# Altium PCB BACKPMAN3Rev1.0.PcbDoc (part 4 of 4)
Units mm, origin at the board's own origin, x right, y up, seen from the top; angles counter-clockwise.
Board outline 108 x 143 mm, 4 copper layers (Component Side, Layer 1, Layer 2, Bottom Layer), stack 1.637 mm thick; 343 components, 220 nets, 1089 pads, 837 vias.
Unrouted connection lines stored in the file: 98.
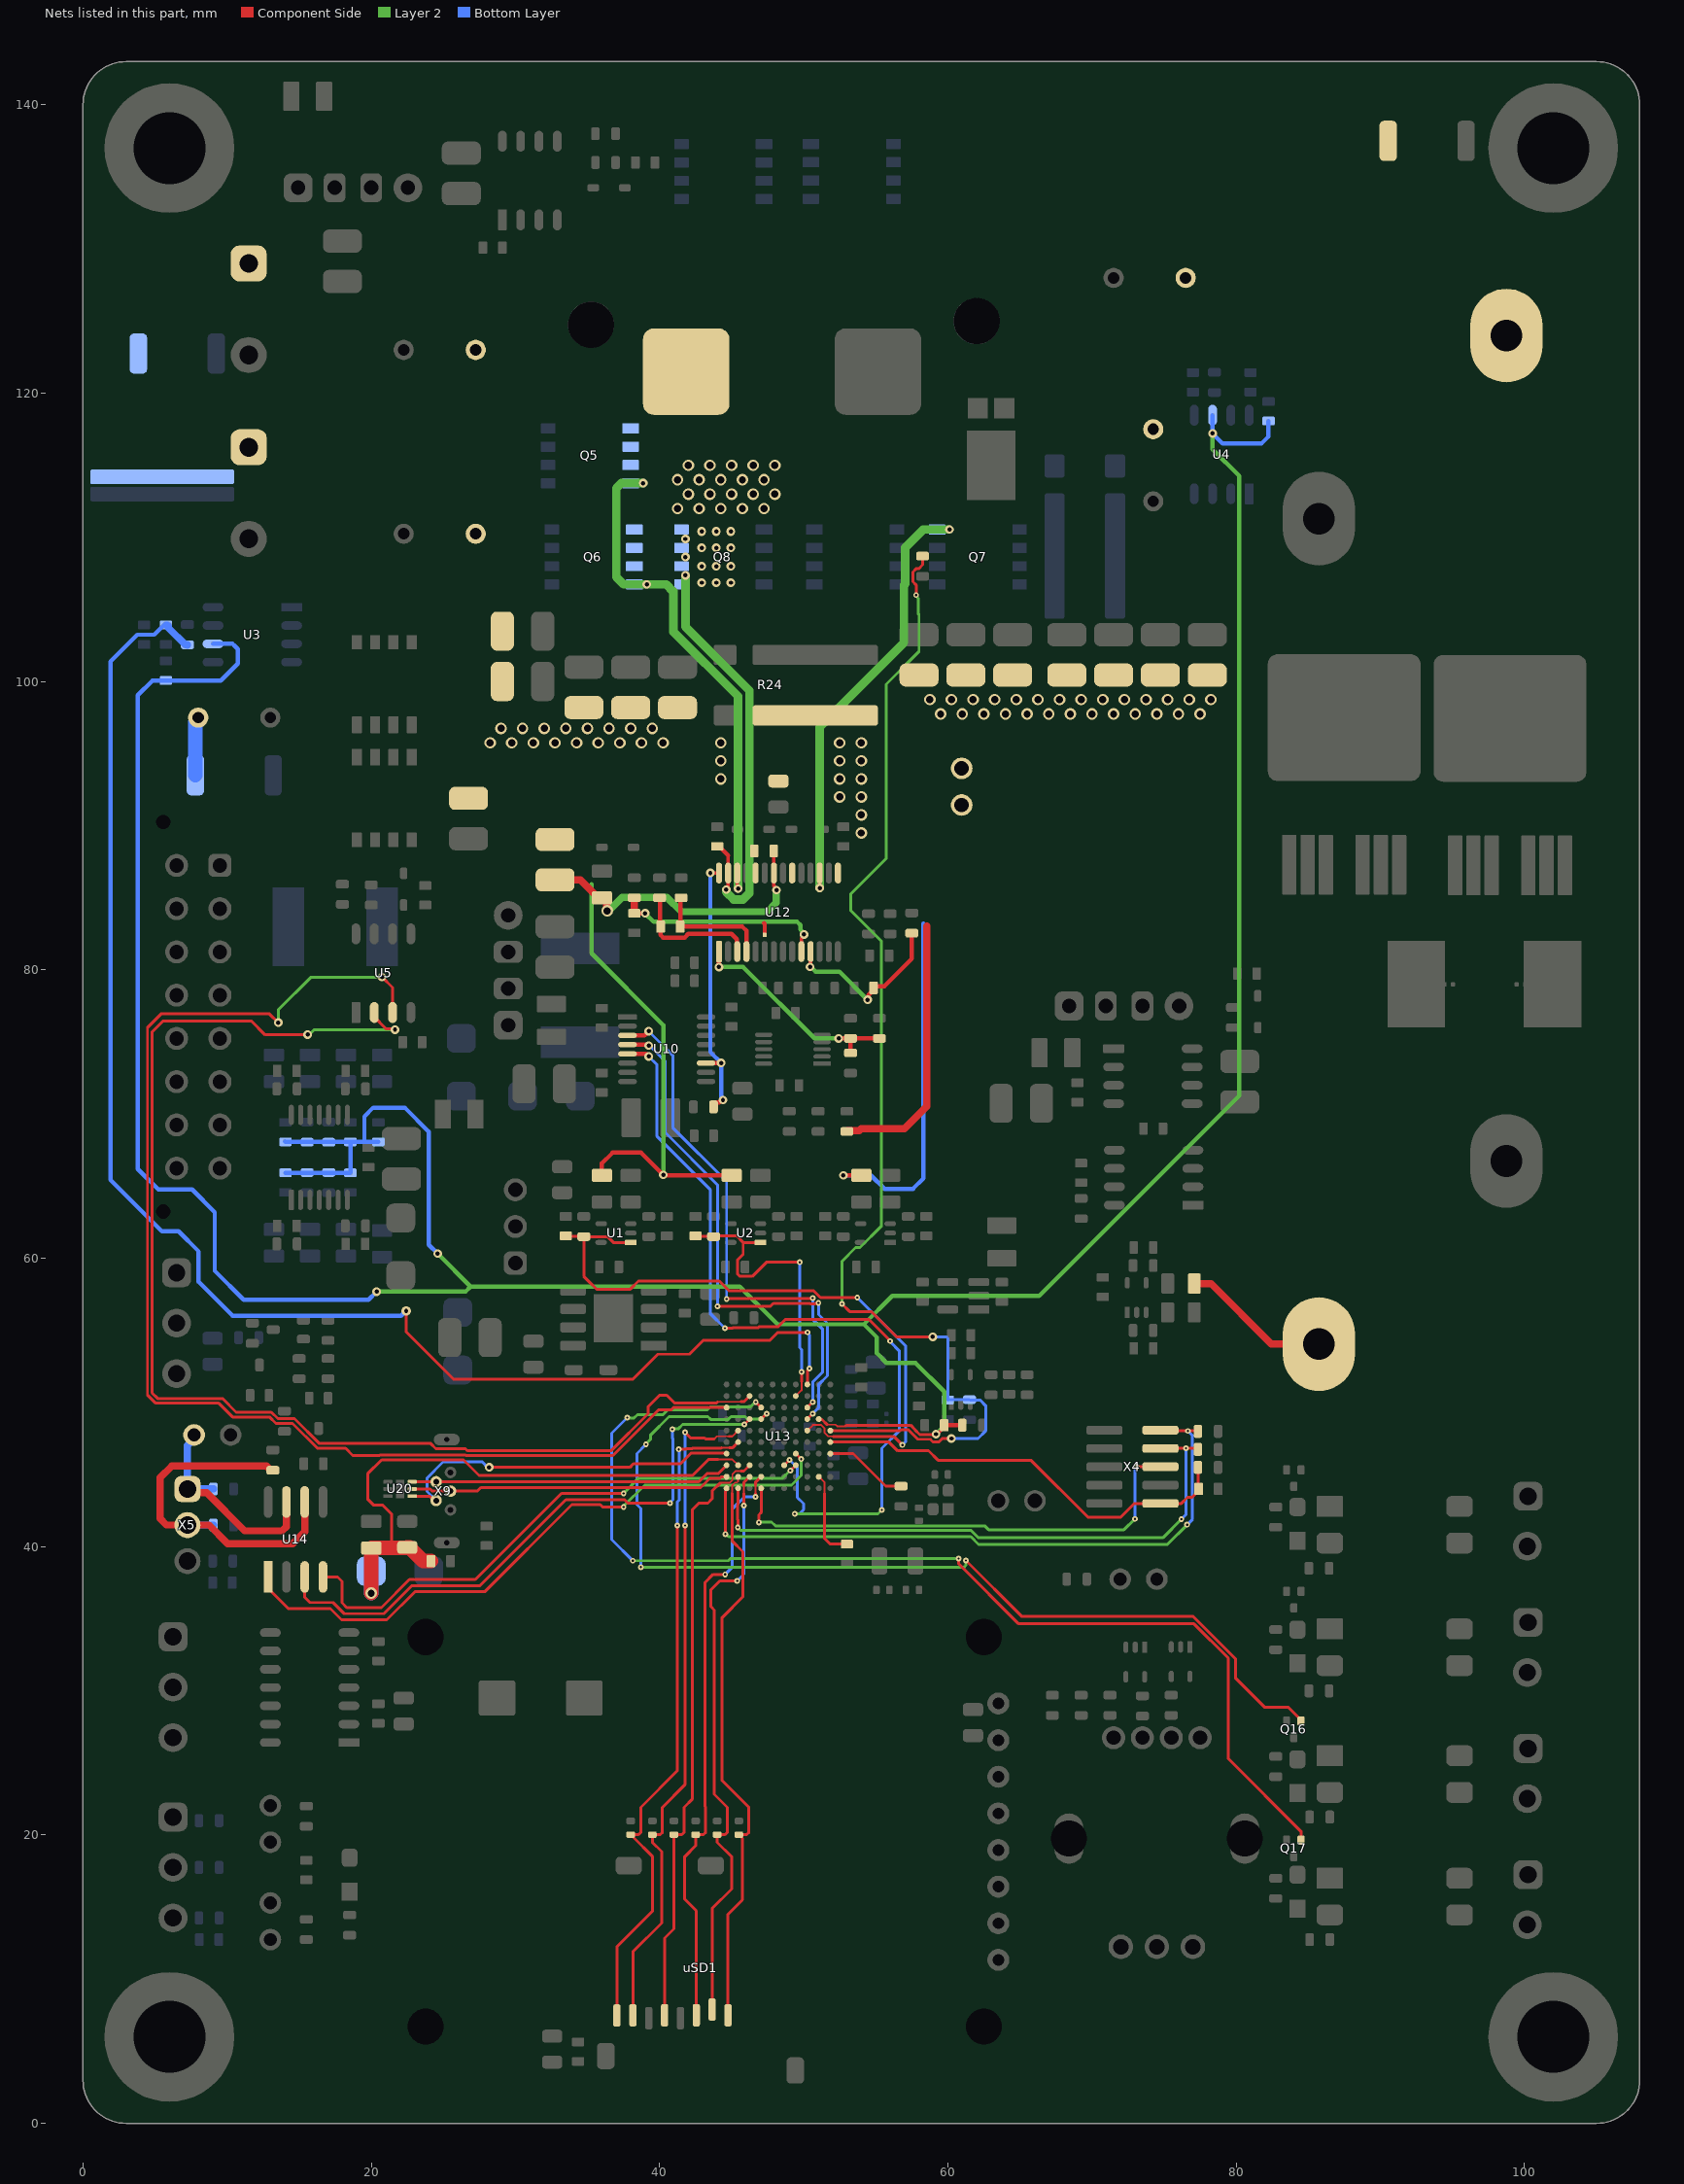
[diagram p6: the nets of this part, all layers, seen from the top]

## Via types
v1: diameter 0.8, hole 0.5, Component Side to Bottom Layer, tented both sides, 351 vias
v2: diameter 0.6, hole 0.3, Component Side to Bottom Layer, tented both sides, 188 vias
v3: diameter 0.35/0.4/0.4/0.35 (per signal layer), hole 0.15, Component Side to Bottom Layer, tented both sides, 156 vias
v4: diameter 0.61, hole 0.3, Component Side to Bottom Layer, 135 vias
v5: diameter 0.7, hole 0.3, Component Side to Bottom Layer, 4 vias
v6: diameter 0.65, hole 0.3, Component Side to Bottom Layer, tented both sides, 2 vias
v7: diameter 0.63, hole 0.3, Component Side to Bottom Layer, tented both sides, 1 vias

## Nets (pads, with @x,y where several pads share a name; then routed paths per layer and width w, separated by ;. In a path a pad name is that pad's centre, name@x,y a point inside that pad or via, vN(x,y) a via of type N, cw(c..) or ccw(c..) an arc to the next point about the centre after c; other vN are vias at no path point) (continued)
OUT3: Q16.1 U13.G7 | length 70.8
  Component Side w0.2: U13.G7@47.05,48.85 v3(47.425,49.225) ; v3(61.252,39.048) 65.146,35.154 77.031,35.154 79.95,32.235 79.95,30.9 82,28.85 83.63,28.85 84.5,27.98 Q16.1@84.5,27.9
  Layer 2 w0.2: v3(38.71,38.583) 61.135,38.583 61.252,38.7 v3(61.252,39.048) ; v3(39.057,47.092) 39.057,47.137 39.388,47.468 39.388,47.753 40.657,49.022 43.352,49.022 43.549,48.825 44.762,48.825 44.959,49.022 45.929,49.022 46.101,48.85 47.05,48.85 v3(47.425,49.225)
  Bottom Layer w0.2: v3(38.71,38.583) 38.71,42.64 38.43,42.92 38.43,46.465 v3(39.057,47.092)
OUT4: Q17.1 U13.H7 | length 80
  Component Side w0.2: v3(46.675,50.025) U13.H7@47.05,49.65 ; v3(60.744,39.181) 60.753,39.172 60.753,38.815 64.918,34.65 77.075,34.65 79.45,32.275 79.45,25.3 84.5,20.25 Q17.1@84.5,19.65
  Layer 2 w0.2: v3(37.758,48.952) 37.779,48.93 38.236,48.93 38.46,49.154 40.244,49.154 40.595,49.505 43.33,49.505 43.512,49.688 46.305,49.688 46.643,50.025 v3(46.675,50.025) ; v3(38.15,39.025) 44.765,39.025 44.921,39.181 v3@60.741,39.181
  Bottom Layer w0.2: v3(37.758,48.952) 36.678,47.872 36.678,40.497 v3(38.15,39.025)
PG: R31.2 U10.11 U12.28 | length 18.7
  Component Side w0.245: v2(43.525,86.725) U12.28@44.123,86.725
  Component Side w0.3: U10.11@43.225,73.54 43.23,73.545 44.27,73.545 v2(44.275,73.55) ; R31.2@43.75,70.5 43.75,70.65 43.9,70.8 44.144,70.8 44.319,70.975 v2(44.4,70.975)
  Bottom Layer w0.3: v2(43.525,86.725) 43.525,74.3 v2(44.275,73.55) 44.275,71.1 v2(44.4,70.975)
PGND: B1.2 B2.1 C13.2 C14.2 C26.2 C27.2 C28.2 C29.2 C30.2 C31.2 C32.2 C33.2 C34.2 C35.2 C36.2 C37.2 C38.2 C39.2 C40.2 C41.2 C42.2 C43.2 C59.2 pad.3@60.96,91.44 pad.3@60.96,93.98 R3.1 R4.1 R16.1 R24.2 R36.1 R70.1 U12.15 U12.20 U12.24 VD2.1 VD6.1 VD16.1 X1.1 X2.2 X3.1 X10.1 | length 92.3
  Component Side w0.3: R3.1@36,65.75 36,66.582 36.744,67.326 38.719,67.326 v2(40.259,65.786) 40.277,65.768 44.982,65.768 R4.1@45,65.75 ; 47.25,83.25 47.298,83.203 B2.1@47.298,82.432 ; v2(52.75,65.75) R16.1@54,65.75
  Component Side w0.5: R36.1@53,68.8 53.05,68.85 53.85,68.85 54,69 57,69 58.55,70.55 58.55,83.05 ; R70.1@77.1,58.25 78.25,58.25 82.45,54.05 X10.1@85.745,54.05
  Layer 2 w0.3: 35.281,85.954 35.281,81.153 40.259,76.175 v2(40.259,65.786)
  Bottom Layer w0.3: v2(52.75,65.75) 54.671,65.75 55.601,64.821 57.582,64.821 58.318,65.557 58.318,83.21
  Bottom Layer w1: VD2.1@7.8,93.5 7.8,97.192 8,97.392 C13.2@8,97.5
  other v1: 54,89.5 54,90.75 52.5,92 54,92 44.25,93.25 52.5,93.25 54,93.25 44.25,94.5 52.5,94.5 54,94.5 28.25,95.75 29.75,95.75 31.25,95.75 32.75,95.75 34.25,95.75 35.75,95.75 37.25,95.75 38.75,95.75 40.25,95.75 44.25,95.75 52.5,95.75 54,95.75 29,96.75 30.5,96.75 32,96.75 33.5,96.75 35,96.75 36.5,96.75 38,96.75 39.5,96.75 59.5,97.75 61,97.75 62.5,97.75 64,97.75 65.5,97.75 67,97.75 68.5,97.75 70,97.75 71.5,97.75 73,97.75 74.5,97.75 76,97.75 77.5,97.75 58.75,98.75 60.25,98.75 61.75,98.75 63.25,98.75 64.75,98.75 66.25,98.75 67.75,98.75 69.25,98.75 70.75,98.75 72.25,98.75 73.75,98.75 75.25,98.75 76.75,98.75 78.25,98.75
PSRC_I: C4.1 R6.1 U13.K3 | length 104.5
  Component Side w0.2: v6(22.425,56.35) 22.425,54.9 25.7,51.625 38.163,51.625 39.888,53.35 42.072,53.35 43.017,54.294 47.644,54.294 48.214,54.864 v3(50.267,54.864) ; U13.K3@50.25,51.25 50.25,52.185 50.4,52.335 v3(50.4,52.36)
  Bottom Layer w0.2: v3(50.267,54.864) 50.267,54.823 50.4,54.69 v3(50.4,52.36)
  Bottom Layer w0.3: C4.1@5.75,103.925 5.625,103.925 4.95,103.25 3.775,103.25 1.9,101.375 1.9,65.45 5.475,61.875 6.625,61.875 8.026,60.474 8.026,58.369 10.389,56.007 22.074,56.007 22.417,56.35 v6(22.425,56.35)
  Bottom Layer w0.5: C4.1@5.75,103.925 5.875,103.925 5.925,103.875 5.925,103.725 7.1,102.55 R6.1@7.25,102.55 R6.1@7.238,102.538
PSRC_V: C5.1 R1.2 U1.1 U13.F3 | length 46.7
  Component Side w0.125: U13.F3@50.25,48.05 50.641,48.441 51.212,48.441 51.455,48.198 51.455,47.893 51.697,47.65 52.056,47.65
  Component Side w0.2: C5.1@33.5,61.55 33.525,61.525 34.725,61.525 R1.2@34.75,61.5 ; U1.1@38,61.1 36.8,61.1 36.4,61.5 R1.2@34.75,61.5 ; 52.056,47.65 56.25,47.65 v3(56.85,47.05) ; v3(53.721,57.277) 51.164,57.277 50.691,57.75 44.815,57.75 44.14,58.425 38.537,58.425 37.973,57.861 35.636,57.861 35.052,58.445 34.75,58.747 R1.2@34.75,61.5
  Bottom Layer w0.2: v3(53.721,57.277) 55.798,55.2 56.172,54.826 57.075,53.923 57.075,47.275 v3(56.85,47.05)
PSW_F: U5.3 U13.H10 | length 90.3
  Component Side w0.2: v2(13.55,76.35) 13.538,76.35 12.938,76.95 5.419,76.95 4.475,76.006 4.475,50.525 5.05,49.95 9.429,49.95 10.379,49 12.935,49 13.385,48.55 14.54,48.55 16.265,46.825 18.22,46.825 18.72,46.325 20.565,46.325 20.59,46.35 26.535,46.35 26.56,46.325 36.765,46.325 39.944,49.505 40.83,49.505 40.975,49.65 U13.H10@44.65,49.65 ; v2(20.752,79.502) 21.48,78.774 U5.3@21.48,77.05
  Layer 2 w0.2: v2(13.55,76.35) 13.55,77.225 15.827,79.502 v2(20.752,79.502)
PSW_R: U5.2 U13.J8 | length 90.3
  Component Side w0.125: 44.02,50.025 44.045,50.05 45.656,50.05
  Component Side w0.2: v2(15.592,75.521) 15.571,75.5 12.638,75.5 11.688,76.45 5.555,76.45 4.8,75.695 4.8,50.66 5.185,50.275 9.675,50.275 10.625,49.325 13.07,49.325 13.52,48.875 14.675,48.875 16.4,47.15 24.13,47.15 24.48,46.8 26.544,46.8 26.694,46.65 36.63,46.65 39.208,49.228 39.208,49.708 40,50.5 40.5,50.5 41.025,49.975 43.97,49.975 44.02,50.025 ; U5.2@20.21,77.05 20.21,76.733 21.017,75.927 21.573,75.927 v2(21.65,75.85) ; 45.656,50.05 45.85,50.05 U13.J8@46.25,50.45
  Layer 2 w0.2: v2(15.592,75.521) 15.7,75.521 16.029,75.85 v2(21.65,75.85)
RESET: C62.1 R54.1 U13.E1 X4.10 | length 30.1
  Component Side w0.2: U13.E1@51.85,47.25 55.916,47.25 56.521,46.645 58.114,46.645 58.128,46.658 58.663,46.658 59.321,46 65.76,46 69.71,42.05 72,42.05 72.95,43 X4.10@74.75,43 76.2,43 76.625,43.425 76.95,43.425 77.4,43.875 C62.1@77.4,44 77.375,44.025 77.375,45.475 R54.1@77.35,45.5
RS485A: E2.1 R56.2 U14.6 X5.2 | length 26.1
  Component Side w0.5: R56.2@13.175,45.3 13.025,45.3 12.725,45.6 6.175,45.6 5.35,44.775 5.35,41.95 5.8,41.5 8.75,41.5 10.05,40.2 14.55,40.2 15.385,41.035 U14.6@15.385,43.1
  Bottom Layer w0.5: X5.2@7.25,41.5 E2.1@9.05,41.5
RS485B: E1.1 J2.1 U14.7 X5.1 | length 15.6
  Component Side w0.5: X5.1@7.25,44 7.509,43.741 8.589,43.741 11.23,41.1 13.822,41.1 14.115,41.393 U14.7@14.115,43.1
  Bottom Layer w0.5: J2.1@7.71,47.75 7.71,47.479 7.25,47.019 X5.1@7.25,44 E1.1@9.05,44
SDMMC_CLK: R45.1 U13.C8 uSD1.5 | length 42
  Component Side w0.125: 44.2,44.45 44.209,44.441 44.882,44.441 45.059,44.618 45.059,45.012 45.297,45.25 45.656,45.25
  Component Side w0.2: uSD1.5@40.35,7.5 40.35,12.85 41,13.5 R45.1@41,20.025 41.55,20.025 41.7,20.175 41.7,21.925 42.287,22.513 42.287,42.587 42.725,43.025 43.35,43.025 43.65,43.325 43.65,43.853 44.209,44.413 ; 45.656,45.25 45.85,45.25 U13.C8@46.25,45.65
SDMMC_CMD: R44.1 U13.B7 uSD1.3 | length 41.2
  Component Side w0.125: 46.65,43.7 46.65,44.256
  Component Side w0.2: uSD1.3@42.55,7.5 42.55,14.75 41.75,15.55 41.75,18.5 42.5,19.25 R44.1@42.5,20.025 43.05,20.025 43.2,20.175 43.2,21.925 43.15,21.975 43.15,37.511 43.713,38.075 v3(44.552,38.075) ; v3(46.65,43.459) 46.65,43.7 ; 46.65,44.256 46.65,44.45 U13.B7@47.05,44.85
  Bottom Layer w0.2: v3(44.552,38.075) 45.03,38.553 45.03,42.595 45.894,43.459 v3(46.65,43.459)
SDMMC_D0: R46.1 U13.F9 uSD1.7 | length 46.9
  Component Side w0.125: 43.803,47.473 43.979,47.65 44.82,47.65
  Component Side w0.15: 44.82,47.65 45.05,47.65 U13.F9@45.45,48.05
  Component Side w0.2: uSD1.7@38.15,7.5 38.15,11.9 40.15,13.9 40.15,18.85 39.5,19.5 R46.1@39.5,20.025 40.05,20.025 40.2,20.175 40.2,21.925 41.762,23.487 v3(41.762,41.465) ; v3(41.773,47.925) 42.173,47.525 43.133,47.525 43.185,47.473 43.803,47.473
  Bottom Layer w0.2: v3(41.762,41.465) 41.768,41.47 41.768,47.92 v3(41.773,47.925)
SDMMC_D1: R47.1 U13.E9 uSD1.8 | length 47
  Component Side w0.125: 44.3,46.85 44.856,46.85
  Component Side w0.2: uSD1.8@37.044,7.484 37.044,12.253 39.5,14.71 39.5,18.525 38.192,19.833 38.192,19.901 38.068,20.025 R47.1@38,20.025 38.55,20.025 38.7,20.175 38.7,21.925 41.237,24.462 v3(41.237,41.465) ; v3(41.325,46.75) 41.8,46.75 41.85,46.8 42.266,46.8 42.289,46.823 44.273,46.823 44.3,46.85 ; 44.856,46.85 45.05,46.85 U13.E9@45.45,47.25
  Bottom Layer w0.2: v3(41.237,41.465) 41.237,43.102 41.354,43.218 41.354,46.721 v3(41.325,46.75)
SDMMC_D2: R42.1 U13.B9 uSD1.1 | length 40.5
  Component Side w0.125: 45.05,43.7 45.05,44.256 45.244,44.45 45.377,44.45 45.45,44.523 U13.B9@45.45,44.85
  Component Side w0.2: uSD1.1@44.75,7.5 44.75,14.5 45.75,15.5 45.75,19.775 45.692,19.833 45.692,19.901 45.568,20.025 R42.1@45.5,20.025 46.05,20.025 46.2,20.175 46.2,21.925 44.348,23.777 44.348,35.083 45.79,36.524 45.79,39.652 45.03,40.413 45.03,43.68 45.05,43.7
SDMMC_D3: R43.1 U13.B8 uSD1.2 | length 40.8
  Component Side w0.125: 45.85,43.7 45.85,44.256
  Component Side w0.2: uSD1.2@43.65,7.9 43.65,14.9 45,16.25 45,18.5 44,19.5 R43.1@44,20.025 44.55,20.025 44.7,20.175 44.7,21.925 43.79,22.835 43.79,35.611 43.567,35.833 43.567,37.017 44.183,37.633 v3(45.39,37.633) ; v3(45.85,42.85) 45.85,43.7 ; 45.85,44.256 45.85,44.45 U13.B8@46.25,44.85
  Bottom Layer w0.2: v3(45.39,37.633) 45.85,38.093 v3(45.85,42.85)
SNS+: C45.1 R23.2 U12.3 | length 9.1
  Component Side w0.3: R23.2@40,85 40.038,84.962 40.038,83.038 C45.1@40.075,83 40.075,82.425 40.251,82.249 41.749,82.249 42,82.5 45,82.5 45.37,82.13 45.37,81.298 U12.3@45.393,81.275
SNS-: C45.2 R26.2 U12.4 | length 8.2
  Component Side w0.3: R26.2@41.5,85 41.463,84.963 41.463,83.038 C45.2@41.425,83 45.75,83 46.028,82.722 U12.4@46.028,81.275
SPI1_MOSI: U10.5 U13.C5 | length 58.7
  Component Side w0.2: v3(44.539,55.156) 45.07,55.156 45.114,55.2 46.855,55.2 46.925,55.269 48.239,55.269 48.719,55.75 54.538,55.75 55.987,54.301 v3(55.987,54.26) ; U13.C5@48.65,45.65 v3(49.025,46.025)
  Component Side w0.3: U10.5@37.775,74.18 39.07,74.18 v2(39.25,74)
  Layer 2 w0.2: v3(49.378,42.27) 55.145,42.27 v3(55.425,42.55)
  Bottom Layer w0.2: v2(39.25,74) 39.827,73.423 39.827,68.453 43.51,64.77 43.51,56.185 v3(44.539,55.156) ; v3(49.025,46.025) 49.555,45.495 49.555,43.409 49.987,42.977 49.987,42.57 49.687,42.27 v3(49.378,42.27) ; v3(55.425,42.55) 55.425,46.825 56.65,48.05 56.65,53.557 55.987,54.219 v3(55.987,54.26)
SPI1_NSS: U10.4 U13.G3 | length 37.6
  Component Side w0.2: v3(44.018,56.667) 47.689,56.667 47.896,56.875 50.434,56.875 50.459,56.85 50.791,56.85 50.812,56.871 50.996,56.871 v3(51.025,56.9) ; U13.G3@50.25,48.85 v3(50.625,49.225)
  Component Side w0.3: U10.4@37.775,74.82 39.099,74.82 39.169,74.75 v2(39.25,74.75)
  Bottom Layer w0.2: v2(39.25,74.75) 39.313,74.75 40.386,73.677 40.386,68.732 44.018,65.1 v3(44.018,56.667) ; v3(50.625,49.225) 51.025,49.625 51.025,51.228 51.65,51.853 51.65,55.487 51.034,56.104 51.034,56.891 v3(51.025,56.9)
SPI1_SCK: U10.3 U13.H3 | length 36.7
  Component Side w0.2: v3(44.653,57.175) 44.678,57.2 50.534,57.2 50.584,57.25 v3(50.625,57.25) ; U13.H3@50.25,49.65 v3(50.625,50.025)
  Component Side w0.3: U10.3@37.775,75.46 38.96,75.46 v2(39.25,75.75)
  Bottom Layer w0.2: v2(39.25,75.75) 40.919,74.081 40.919,69.063 44.653,65.329 v3(44.653,57.175) ; v3(50.625,50.025) 50.625,51.412 51.325,52.112 51.325,55.076 50.625,55.776 v3(50.625,57.25)
SW1+: C58.2 L3.1 Q5.2 Q6.2 Q8.3 U12.27 | length 29.5
  Component Side w0.25: v2@44.758,85.707 44.758,87.943
  Component Side w0.3: C58.2@44.125,88.575 44.758,87.943 ; v2(44.624,85.574) 44.624,85.655 v2@44.735,85.766
  Component Side w0.4: C58.2@44,88.575 C58.2@44.125,88.575
  Layer 2 w0.6: v4(41.8,107.365) 41.8,105.75 41.8,103.813 46.24,99.373 46.24,85.327 45.8,84.887 45.144,84.887 44.624,85.408 v2(44.624,85.574)
  other v1: 41.25,112 42.75,112 44.25,112 45.75,112 47.25,112 42,113 43.5,113 45,113 46.5,113 48,113 41.25,114 42.75,114 44.25,114 45.75,114 47.25,114 42,115 43.5,115 45,115 46.5,115 48,115
  other v4: 42.922,106.857 43.938,106.857 44.954,106.857 42.922,108 43.938,108 44.954,108 41.8,108.64 42.922,109.27 43.938,109.27 44.954,109.27 41.8,109.89 42.922,110.413 43.938,110.413 44.954,110.413
SWD_CLK: R52.1 U13.A9 X4.4 | length 42.1
  Component Side w0.2: v3(45.43,41.325) 45.43,41.87 45.4,41.9 45.4,42.877 45.45,42.927 U13.A9@45.45,44.05 ; X4.4@74.75,46.81 74.757,46.818 76.518,46.818 v3(76.525,46.825) 77.275,46.825 R52.1@77.35,46.75
  Layer 2 w0.2: v3(45.43,41.325) 45.442,41.325 45.647,41.12 61.63,41.12 62.136,40.615 74.915,40.615 v3(76.2,41.9)
  Bottom Layer w0.2: v3(76.2,41.9) 76.525,42.225 v3(76.525,46.825)
SWD_DIO: R48.1 U13.A10 X4.2 | length 45.5
  Component Side w0.2: v3(44.575,40.875) 44.575,43.83 44.611,43.865 44.611,44.011 U13.A10@44.65,44.05 ; X4.2@74.75,48.08 74.777,48.053 76.622,48.053 v3(76.65,48.025) 77.325,48.025 R48.1@77.35,48
  Layer 2 w0.2: v3(44.575,40.875) 44.608,40.875 44.792,40.691 61.6,40.691 62.133,40.157 75.232,40.157 v3(76.6,41.525)
  Bottom Layer w0.2: v3(76.6,41.525) 76.97,41.895 76.97,47.705 v3(76.65,48.025)
SWO: U13.A7 X4.6 | length 34.4
  Component Side w0.2: v3(46.888,41.681) 46.888,42.206 47.05,42.368 U13.A7@47.05,44.05 ; v3(73.1,45.55) 73.105,45.545 74.745,45.545 X4.6@74.75,45.54
  Layer 2 w0.2: v3(46.888,41.681) 46.915,41.708 47.772,41.708 48.034,41.445 62.555,41.445 62.827,41.173 72.223,41.173 v3(72.975,41.925)
  Bottom Layer w0.2: v3(72.975,41.925) 72.975,45.425 v3(73.1,45.55)
SYS_V: C6.1 R2.2 U2.1 U13.J4 | length 21.3
  Component Side w0.125: U13.J4@49.45,50.45 49.85,50.85 49.85,51.456
  Component Side w0.2: C6.1@42.5,61.55 42.525,61.525 43.725,61.525 43.75,61.55 45.35,61.55 45.8,61.1 ; U2.1@47,61.1 45.8,61.1 ; v3(49.725,59.725) 47.409,59.725 46.434,58.75 45.576,58.75 45.4,58.926 45.4,59.874 45.8,60.274 45.8,61.1 ; 49.85,51.456 v3(49.85,52.117)
  Bottom Layer w0.2: v3(49.725,59.725) 49.725,53.797 49.85,53.672 v3(49.85,52.117)
TERMO_SENS: C47.1 R25.1 R27.2 U13.F1 | length 85.2
  Component Side w0.2: U13.F1@51.85,48.05 56.708,48.05 56.759,48.101 57.265,48.101 57.668,47.698 57.916,47.45 58.79,47.45 58.865,47.375 58.961,47.279 59.396,47.279 59.617,47.5 v2(60.25,47.5) ; v3(52.654,56.845) 53.188,56.312 54.686,56.312 56.439,54.559 v2(58.953,54.559) ; v3(57.8,106) 57.8,106.7 57.575,106.925 57.575,107.605 57.795,107.825 57.985,107.825 58.26,108.1 58.26,108.69 R25.1@58.25,108.7
  Layer 2 w0.2: v3(52.654,56.845) 52.654,59.787 53.608,60.74 53.906,60.74 55.375,62.21 55.375,82.018 53.25,84.143 53.25,85.25 55.725,87.725 55.725,99.81 58,102.085 58,104.649 57.935,104.714 57.935,105.783 57.9,105.818 57.9,105.846 57.8,105.946 v3(57.8,106)
  Bottom Layer w0.2: v2(58.953,54.559) 59.883,54.559 60,54.442 C47.1@60,50.175 60.012,50.187 61.487,50.187 R27.2@61.5,50.2 61.542,50.158 62.25,50.158 62.625,49.783 62.625,48.025 62.1,47.5 v2(60.25,47.5)
TG1: Q5.1 Q6.1 U12.26 | length 37.8
  Component Side w0.25: U12.26@45.393,86.725 45.393,85.699 v2(45.455,85.637)
  Layer 2 w0.6: v2(38.867,113.757) 37.351,113.757 37,113.406 37,107.25 37.513,106.737 40.463,106.737 40.96,106.24 40.96,103.465 45.455,98.97 v2(45.455,85.637)
  Bottom Layer w0.3: Q5.1@38,113.75 v2@38.86,113.75 ; Q6.1@38.25,106.73 v2@39.11,106.73
  other v2: 39.117,106.737
TG2: Q7.1 U12.17 | length 31.6
  Component Side w0.25: U12.17@51.108,86.725 51.11,86.722 51.11,85.68 v2(51.113,85.677)
  Layer 2 w0.6: v2(51.113,85.677) 51.113,96.863 56.955,102.705 56.955,106.68 57.045,106.77 57.045,109.293 58.3,110.547 v2(60.117,110.547)
  Bottom Layer w0.3: Q7.1@59.25,110.54 v2@60.11,110.54
UART1_RTS: U13.G8 U14.3 | length 41.5
  Component Side w0.2: U14.3@15.385,37.9 15.385,36.49 15.75,36.125 17.35,36.125 18.125,35.35 20.876,35.35 22.826,37.3 27.55,37.3 33.5,43.25 37.583,43.25 37.819,43.014 v3(40.73,43.014) ; v3(45.875,48.475) U13.G8@46.25,48.85
  Layer 2 w0.2: v3(40.881,48.15) 40.92,48.188 41.319,48.188 41.606,48.475 v3(45.875,48.475)
  Bottom Layer w0.2: v3(40.73,43.014) 40.73,43.055 40.925,43.249 40.925,46.584 40.925,47.501 40.91,47.516 40.91,48.121 v3(40.881,48.15)
UART1_RX: U13.D4 U14.1 | length 44.7
  Component Side w0.2: U14.1@12.845,37.9 12.845,37.1 14.245,35.7 17.174,35.7 17.949,34.925 21.075,34.925 23.025,36.875 27.875,36.875 33.925,42.925 35.883,42.925 36.05,42.758 v3(37.509,42.758) ; U13.D4@49.45,46.45 v3(49.825,46.075)
  Layer 2 w0.2: v3(37.509,42.758) 37.509,42.809 38.973,44.272 49.155,44.272 49.825,44.942 v3(49.825,46.075)
UART1_TX: U13.C4 U14.4 | length 38.6
  Component Side w0.2: U14.4@16.655,37.9 17.675,37.9 17.975,37.6 17.975,36.101 18.301,35.775 20.7,35.775 22.65,37.725 27.225,37.725 33.2,43.7 v3(37.509,43.7) ; v3(49.075,45.275) U13.C4@49.45,45.65
  Layer 2 w0.2: v3(37.509,43.7) 38.559,44.75 48.534,44.75 49.059,45.275 v3(49.075,45.275)
USB_ID: U13.D10 U20.1 X9.4 | length 25.4
  Component Side w0.2: U20.1@22.85,43.5 24.038,43.5 24.338,43.2 X9.4@24.5,43.2 ; v2(28.175,45.5) 37.941,45.5 38.188,45.747 41.447,45.747 42.175,46.475 44.625,46.475 U13.D10@44.65,46.45
  Bottom Layer w0.2: X9.4@24.5,43.2 23.875,43.825 23.875,44.759 24.991,45.875 27.701,45.875 28.076,45.5 v2(28.175,45.5)
USB_N: U13.C10 U20.3 X9.2 | length 22.3
  Component Side w0.2: U20.3@22.85,44.5 X9.2@24.5,44.5 42.725,44.5 43.288,45.063 44.063,45.063 U13.C10@44.65,45.65
USB_P: U13.B10 U20.2 X9.3 | length 22.3
  Component Side w0.2: U20.2@22.849,44 24.086,44 24.236,43.85 X9.3@25.499,43.85 27.35,43.85 27.6,44.1 42.85,44.1 43.488,44.738 44.197,44.738 44.31,44.85 U13.B10@44.65,44.85
USB_VBUS: C91.1 C92.1 L5.2 U13.C9 VD10.2 | length 42.6
  Component Side w0.125: 44.075,46.05 45.05,46.05 U13.C9@45.45,45.65
  Component Side w0.2: 21.25,39.925 21.4,40.075 21.4,42.275 20.8,42.875 20.175,42.875 19.75,43.3 19.75,45.05 20.725,46.025 26.4,46.025 27.484,44.941 42.291,44.941 43.4,46.05 44.075,46.05
  Component Side w1: v1(20,36.775) L5.2@20,39.9 20.025,39.925 21.25,39.925 22.475,39.925 C91.1@22.5,39.95 22.65,39.95 23.6,39 C92.1@24.15,39
  Bottom Layer w1: v1(20,36.775) VD10.2@20,38.3
VBAT: C69.1 U13.B2 | length 6.2
  Component Side w0.125: U13.B2@51.05,44.85 51.45,44.45 51.45,43.675
  Component Side w0.2: 51.45,43.675 51.45,40.575 51.85,40.175 C69.1@53,40.175
VFB: R28.2 R29.1 R30.2 U12.1 | length 15.3
  Component Side w0.3: U12.1@44.123,81.275 44.123,80.701 44.124,80.7 v2(44.125,80.2) v2(44.125,80.2) ; v2(52.425,75.25) R30.2@53.25,75.25 ; R28.2@53.25,74.25 R30.2@53.25,75.25 ; R29.1@55.25,75.25 R30.2@53.25,75.25
  Layer 2 w0.3: v2(44.125,80.2) 45.8,80.2 50.75,75.25 v2(52.425,75.25)
VIN: C42.1 C43.1 R20.1 U12.22 | length 21.4
  Component Side w0.25: C43.1@47.925,88.25 47.925,87.511 47.932,87.503 U12.22@47.933,86.725 47.933,85.817 48.119,85.63 v2(48.119,85.535)
  Component Side w0.3: C43.1@47.925,88.25 C43.1@47.929,88.246
  Component Side w0.5: C42.1@32.75,86.25 34.5,86.25 35.75,85 R20.1@36,85 36.118,85 36.318,84.8 36.318,84.157 v1(36.375,84.1)
  Layer 2 w0.5: v1(36.375,84.1) 36.456,84.1 37.395,85.039 40.513,85.039 41.515,84.037 47.487,84.037 48.1,84.651 48.1,85.516 v2(48.119,85.535)
VINSNS: C44.1 R21.1 U12.10 | length 15
  Component Side w0.25: U12.10@49.838,81.275 49.838,82.182 50.026,82.371 v2(50.026,82.466)
  Component Side w0.3: C44.1@38.25,83.925 v2(39,83.925) ; v2@49.993,82.432 v2(50.026,82.466)
  Component Side w0.5: C44.1@38.25,83.925 R21.1@38.25,85
  Layer 2 w0.3: v2(39,83.925) 39.588,83.337 49.555,83.337 49.775,83.117 49.775,82.798 50.026,82.547 v2(50.026,82.466)
VOUTSNS: C46.1 R22.1 U12.11 | length 12.3
  Component Side w0.25: v2(50.44,80.213) 50.473,80.246 U12.11@50.473,81.275
  Component Side w0.3: v2(54.432,77.927) 54.49,77.985 54.49,78.265 54.85,78.625 C46.1@54.85,78.75 54.975,78.875 55.6,78.875 57.5,80.775 R22.1@57.5,82.55
  Layer 2 w0.3: v2(50.44,80.213) 50.492,80.213 50.816,79.889 52.471,79.889 v2(54.432,77.927)
VREF_1.65V: C7.2 C8.2 C104.1 C118.2 C119.2 C121.2 C123.2 C125.2 R67.1 R79.1 R85.1 R92.1 R99.1 U3.6 U4.6 U13.G2 | length 242.3
  Component Side w0.125: 51.66,48.466 51.681,48.466 51.688,48.459 52.216,48.459 52.325,48.35 52.875,48.35 52.9,48.375
  Component Side w0.2: U13.G2@51.05,48.85 51.089,48.811 51.284,48.811 51.628,48.466 51.66,48.466 ; 52.9,48.375 52.951,48.426 57.424,48.426 57.737,48.113 57.737,48.088 58.051,47.775 58.925,47.775 59.007,47.693 59.179,47.693 v2@59.179,47.729 ; v2(59.179,47.804) v2@59.179,47.729 ; C104.1@59.75,48.425 59.75,48.3 v2@59.179,47.729
  Component Side w0.3: C104.1@59.75,48.425 R67.1@61,48.425 R67.1@61.074,48.351
  Layer 2 w0.3: v2(20.371,57.683) 26.54,57.683 26.896,58.039 ; v2@24.613,60.322 26.896,58.039 ; v2(59.179,47.804) 59.75,48.376 59.75,50.75 57.75,52.75 55.75,52.75 55.082,53.418 55.082,54.514 54.173,55.423 ; v2(78.365,117.21) 78.365,116.11 80.225,114.25 80.225,71.275 66.338,57.388 56.138,57.388 54.173,55.423 ; 26.896,58.039 45.568,58.039 48.184,55.423 54.173,55.423
  Bottom Layer w0.3: U3.6@9.025,102.615 10.385,102.615 10.499,102.501 10.75,102.25 10.75,101.25 9.575,100.075 C8.2@5.75,100.075 4.825,100.075 3.808,99.058 3.808,66.195 5.233,64.769 7.57,64.769 9.144,63.195 9.144,59.131 11.151,57.125 19.812,57.125 v2(20.371,57.683) ; C125.2@14.004,68.121 C125.2@14.05,68.075 C123.2@18.55,68.075 ; C118.2@14.05,65.925 C121.2@18.55,65.925 ; C121.2@18.563,65.938 C121.2@18.55,65.925 ; C119.2@20.5,68.075 19.525,68.075 ; v2@24.6,60.312 v2(24.613,60.325) 24,60.938 24,68.775 22.325,70.45 20.137,70.45 19.525,69.838 19.525,68.075 ; U4.6@78.365,118.475 v2(78.365,117.21) 79.075,116.5 81.75,116.5 82.25,117 C7.2@82.25,118.075 ; C121.2@18.55,65.925 C123.2@18.55,68.075 ; C123.2@18.55,68.075 19.525,68.075
XTAL: R40.2 U13.D1 | length 5.8
  Component Side w0.2: U13.D1@51.85,46.45 53.435,46.45 55.685,44.2 R40.2@56.75,44.2
pads on no net: DSP1.0 SW1.M1 SW1.M2 U11.3 U11.9 U13.A5 U13.A6 U13.B5 U13.B6 U13.C7 U13.D3 U13.D6 U13.F2 U13.G5 U13.G6 U13.H9 U13.J9 U13.K7 U13.K8 U13.K9 U13.K10 U15.7 U15.8 U16.1 U17.1 U19.3 U19.5 U19.6 U19.7 U20.4 U20.5 U23.1 U25.2 U25.7 X4.7 X4.8 X4.9 X11.0

## Polygon pours and split planes (outlines as drawn)
CGND on Bottom Layer "CGND_L04_P033" (solid, pour order 33): 37.5,79.75 40.75,76.5 40.75,68.75 41.75,67.75 55,67.75 57.5,70.25 57.5,82.5 37.5,82.5
GND on Bottom Layer "GND_BOT" (solid, remove dead copper, pour order 106): 0,0 108,0 108,143 0,143
+3V3 on Bottom Layer "NONET_L-01_P-001" (solid, remove dead copper, pour order 105): 28,69 32,65 32,52 29,49 14,49 13,48 13,29 15,27 15,12 16,11 32,11 34,13 34,17 36,19 58,19 60,17 60,12 62,10 79,10 82,13 82,39 81,40 81,59 73,67 73,73 71,75 68,75 66,73 66,67 59,60 53.589,60 41,72.589 41,74 38,77 29,77 28,76
AGND on Bottom Layer "AGND3" (solid, remove dead copper, pour order 100): 5,76.25 5,62.25 10.5,56.75 22,56.75 24,58.75 24,72.5 19.75,76.75 5.5,76.75
GND on Bottom Layer "NONET_L-01_P-001" (solid, remove dead copper, pour order 97): 0,113.25 9.25,113.25 9.25,106.5 8.5,105.75 0,105.75
PGND on Bottom Layer "Bottom Layer-PGND" (solid, remove dead copper, pour order 96): 27.25,90.5 29.5,88.25 35,82.75 76,82.75 82.75,76 82.75,64.25 81,62.5 81,51.25 83.25,49 108,49 108,143 73.502,143 73.502,117.248 75.75,115 78.25,115 79,114.25 79,105.5 77.5,104 56.75,104 56,103.25 56,100.25 55.25,99.5 41.5,99.5 40.25,98.25 28,98.25 27.25,97.5
AGND on Bottom Layer "NONET_L-01_P-001" (solid, remove dead copper, pour order 34): 76,119.75 75.5,120.25 75.5,122.75 76,123.25 81.5,123.25 83.25,121.5 83.25,115.5 82.75,115 76.5,115 76,115.5
+ACCV on Bottom Layer "NONET_L-01_P-001" (solid, remove dead copper, pour order 81): 79,114.25 79,105.75 79.75,105 87.5,105 88.75,106.25 88.75,114.25 88,115 79.75,115
+ACCV1 on Bottom Layer "Bottom Layer-+ACCV1" (solid, remove dead copper, pour order 61): 77.5,104.25 78.75,105.5 78.75,111.25 78.75,114.25 78.25,114.75 75.75,114.75 73.25,117.25 73.25,143 52.75,143 51.75,142 51.75,125.5 52.5,124.75 64,124.75 65.25,123.5 65.25,118 67.75,118 68.75,117 68.75,104.25
+ACCV_SW on Bottom Layer "NONET_L-01_P-001" (solid, remove dead copper, pour order 60): 46.25,142.25 47,143 50.5,143 51.5,142 51.5,125.5 51,125 46.75,125 46.25,125.5 46.25,132.25
+CHRGV on Bottom Layer "NONET_L-01_P-001" (solid, remove dead copper, pour order 59): 56.75,104.5 57.25,104 67.75,104 68.25,104.5 68.25,116.798 67.298,117.75 60.75,117.75 56.75,113.75
NetQ8_2 on Bottom Layer "NONET_L-01_P-001" (solid, remove dead copper, pour order 37): 46.5,111.25 41.75,106.5 41.75,100.25 42.25,99.75 55.25,99.75 55.75,100.25 55.75,106 55.5,106.25 52.5,106.25 52,106.75 52,110.75 51.5,111.25
+SW2 on Bottom Layer "Bottom Layer-+SW2" (solid, remove dead copper, pour order 53): 49.5,111.5 51.75,109.25 51.75,106.5 59.25,106.5 59.75,107 59.75,117.25 60.5,118 64.5,118 65,118.5 65,123.25 63.75,124.5 58,124.5 50.75,124.5 49.5,123.25
+SYSV on Bottom Layer "Bottom Layer-+SYSV" (solid, remove dead copper, pour order 48): 39,125 45.5,125 46,125.5 46,142 45,143 26.5,143 25,141.5 25,130.5 21,126.5 10.25,126.5 8.75,126.5 7.75,125.5 7.75,120.25 8.5,119.5 14,119.5 15.5,118 15.5,114.5 18.25,111.75 18.25,104 18.25,99.75 19.5,98.5 40.25,98.5 41.5,99.75 41.5,106 37.25,106 36.75,106.5 36.75,122.75
SW1+ on Bottom Layer "NONET_L-01_P-001" (solid, remove dead copper, pour order 44): 37.25,122.5 37.25,107.75 37.75,107.25 39.25,107.25 40.5,106 45.75,106 49,109.25 49,123.5 48,124.5 39.25,124.5
PGND on Bottom Layer "NONET_L-01_P-001" (solid, remove dead copper, pour order 43): 8.75,126.5 7.75,125.5 7.75,120.25 8.5,119.5 14,119.5 15.5,118 15.5,114.25 14.75,113.5 1.25,113.5 0,114.75 0,130.5 1.5,132 14.5,132 15.5,131 15.5,127.5 14.5,126.5 11.5,126.5
+PSRC1 on Bottom Layer "NONET_L-01_P-001" (solid, remove dead copper, pour order 40): 10.5,100.25 10.5,92.75 15,88.25 23.75,88.25 24.5,89 24.5,100.75 22.25,103 13.25,103
+PSRC on Bottom Layer "NONET_L-01_P-001" (solid, remove dead copper, pour order 39): 9.25,107.5 13.25,103.5 13.5,103.25 17,103.25 18,104.25 18,112 17,113 10,113 9.25,112.25
GND on Component Side "NONET_L-01_P-001" (solid, remove dead copper, pour order 35): 5.25,112.75 8.25,112.75 8.75,112.25 8.75,106.25 8.25,105.75 5,105.75 4.75,106 4.75,112.25
AGND on Component Side "AGND2" (solid, remove dead copper, pour order 102): 36,61.75 37,62.75 64.5,62.75 68,66.25 71,69.25 77.25,69.25 78,68.5 78,55.75 70,47.75 58.5,47.75 52.75,47.75 52.5,48 52.5,49.25 53.5,49.25 58,53.75 58,56 57.75,56 55.75,58 40.25,58 39.75,58.5 36.75,58.5 36,59.25
AGND on Component Side "AGND1" (solid, remove dead copper, pour order 99): 5,76.25 5,62.25 10.5,56.75 20.25,56.75 24.25,60.75 24.25,70.5 17.5,77.25 6,77.25
PGND on Component Side "Component Side-PGND" (solid, remove dead copper, pour order 69): 20.25,111.25 22.5,111.25 23.25,110.5 23.25,93.75 24.5,92.5 24.5,91 25,90.5 28,90.5 28.75,89.75 28.75,88.75 29.5,88 35.75,88 40.95,82.8 80.05,82.8 81.75,84.5 81.75,99.5 79.25,102 45.25,102 42.75,99.5 31,99.5 31,105.75 31,126 30.5,126.5 24.75,126.5 21.75,123.5 6.5,123.5 5,122 5,99 7.75,96.25 9.75,96.25 10.25,96.75 10.25,98.75 11.5,100 17,100 17.75,100.75 17.75,108.75
CGND on Component Side "CGND" (solid, remove dead copper, pour order 98): 37,80.25 40.75,76.5 40.75,68.75 41.75,67.75 55,67.75 57.5,70.25 57.5,81.5 56.75,82.25 40.75,82.25 39.25,83.75 37.25,83.75 37,83.5
+PSRC1 on Component Side "Component Side-+PSRC1" (solid, remove dead copper, pour order 92): 10.5,91.75 11.5,90.75 13.5,90.75 16.25,88 27.75,88 28,88.25 28,90 27.75,90.25 25,90.25 24.25,91 24.25,98.25 22.75,99.75 11.53,99.75 10.468,98.688 10.5,98.25
+SYSV on Component Side "NONET_L-01_P-001" (solid, remove dead copper, pour order 87): 46,125.5 46,142 45.5,142.5 40.25,142.5 39.25,141.5 39.25,138.5 40.5,137.25 40.5,134 36.75,130.25 36.75,125.75 37.5,125 45.5,125
+ACCV_SW on Component Side "NONET_L-01_P-001" (solid, remove dead copper, pour order 78): 46.25,142.25 47,143 50.5,143 51.5,142 51.5,125.5 51,125 46.75,125 46.25,125.5 46.25,132.25
+CHRGV on Component Side "NONET_L-01_P-001" (solid, remove dead copper, pour order 42): 59.75,116.75 59.75,109.75 59,109 59,106 58.227,105.227 56.227,105.227 56,105 56,102.5 65.75,102.5 66.5,103.25 66.5,116.75 65.5,117.75 60.75,117.75
PGND on Component Side "NONET_L-01_P-001" (solid, remove dead copper, pour order 57): 73.25,143 73.25,117.25 74.25,116.25 85.25,116.25 85.5,116.5 108,116.5 108,143
+SYSV on Component Side "NONET_L-01_P-001" (solid, remove dead copper, pour order 49): 18.5,98.25 23.25,98.25 23.25,110.5 22.5,111.25 20.25,111.25 18,109 18,98.75
+LOADV on Component Side "NONET_L-01_P-001" (solid, remove dead copper, pour order 54): 98.5,82.75 97,81.25 97,76.5 95.5,75 90,75 89.25,74.25 89.25,63.75 92.5,60.5 106.5,60.5 108,62 108,83 98.75,83
+LOADV1 on Component Side "NONET_L-01_P-001" (solid, remove dead copper, pour order 52): 84.25,90 84.25,76.5 85.75,75 95.5,75 97,76.5 97,81.25 98.75,83 108,83 108,90.75 85,90.75
+ACCV on Component Side "NONET_L-01_P-001" (solid, remove dead copper, pour order 51): 80,115.25 81.25,116.5 108,116.5 108,91.75 82.5,91.75 80,94.25
+ACCV1 on Component Side "NONET_L-01_P-001" (solid, remove dead copper, pour order 50): 66.5,117 66.5,102.5 79.25,102.5 79.75,103 79.75,115.25 79,116 74.25,116 73.25,117 73.25,143 52.75,143 51.75,142 51.75,125.5 52.5,124.75 64,124.75 65.25,123.5 65.25,118.25
NetQ8_2 on Component Side "NONET_L-01_P-001" (solid, remove dead copper, pour order 36): 46.5,111.25 42,106.75 42,100.5 42.75,99.75 55.25,99.75 55.75,100.25 55.75,106 55.5,106.25 52.5,106.25 52,106.75 52,110.75 51.5,111.25
+SW2 on Component Side "Component Side-+SW2" (solid, remove dead copper, pour order 41): 49.5,111.75 52.25,109 52.25,106.5 56.66,106.5 57,106.75 57,109 57.5,109.5 59,109.5 59.5,110 59.5,117 60.5,118 64.5,118 65,118.5 65,123.25 63.75,124.5 58,124.5 50.75,124.5 49.5,123.25
SW1+ on Component Side "NONET_L-01_P-001" (solid, remove dead copper, pour order 38): 37.25,107.75 37.75,107.25 39.25,107.25 40.5,106 45.75,106 49,109.25 49,123.5 48,124.5 39.25,124.5 37.25,122.5
+SYSV on Component Side "NONET_L-01_P-001" (solid, remove dead copper, pour order 47): 31,99.75 31,105.75 31,121 31.5,121.5 36.5,121.5 37,121 37,107.75 37.75,107 39,107 43,103 43,100.5 42.25,99.75
+PSRC_SW on Component Side "NONET_L-01_P-001" (solid, remove dead copper, pour order 46): 18,94.25 18.5,93.75 22.75,93.75 23.25,94.25 23.25,97.75 22.75,98.25 18.25,98.25 18,98
GND on Layer 1 "NONET_L-01_P-001" (solid, remove dead copper, pour order 95): 0,0 0,143 108,143 108,0
CGND on Layer 1 "NONET_L-01_P-001" (solid, remove dead copper, pour order 93): 37,80.25 40.75,76.5 40.75,68.75 41.75,67.75 55,67.75 57.5,70.25 57.5,81.5 56.5,82.5 41,82.5 39,84.5 38,84.5 37,83.5
+SYSV on Layer 1 "NONET_L-01_P-001" (solid, remove dead copper, pour order 90): 13.25,110 13.25,100 14.5,98.75 22.75,98.75 23.25,99.25 23.25,110.5 22.5,111.25 14.5,111.25
+PSRC1 on Layer 1 "NONET_L-01_P-001" (solid, remove dead copper, pour order 89): 12,98 12,92.25 13.5,90.75 16.25,88 23.25,88 23.5,88.25 23.5,97.5 22.5,98.5 12.5,98.5
+SYSV on Layer 1 "NONET_L-01_P-001" (solid, remove dead copper, pour order 83): 45.25,143 46,142.25 46,125.5 45.5,125 39,125 36.75,122.75 36.75,107.75 37.75,106.75 39.25,106.75 40.25,105.75 41.5,105.75 41.75,105.5 41.75,100.25 41.25,99.75 36.5,99.75 31.75,104.5 31.75,121.75 27,126.5 27,141.75 28.25,143
PGND on Layer 1 "NONET_L-01_P-001" (solid, remove dead copper, pour order 79): 8.75,115.25 12.5,111.5 14.25,111.5 22.75,111.5 23.5,110.75 23.5,88.5 24,88 35.75,88 41,82.75 76,82.75 82.75,76 82.75,64.25 81,62.5 81,51.25 83.25,49 108,49 108,143 73.5,143 73.5,117 75.5,115 78.5,115 79,114.5 79,105.5 77.5,104 56.75,104 56,103.25 56,100.25 55.25,99.5 36.5,99.5 31.5,104.5 31.5,122 27,126.5 19,126.5 14.5,131 9.25,131 8.75,130.5
+ACCV1 on Layer 1 "Bottom Layer-+ACCV1" (solid, remove dead copper, pour order 75): 77.5,104.25 78.75,105.5 78.75,111.25 78.75,114.25 78.25,114.75 75.75,114.75 73.25,117.25 73.25,143 52.75,143 51.75,142 51.75,125.5 52.5,124.75 64,124.75 65.25,123.5 65.25,118 67.75,118 68.75,117 68.75,104.25
+CHRGV on Layer 1 "NONET_L-01_P-001" (solid, remove dead copper, pour order 74): 56.75,104.5 57.25,104 67.75,104 68.25,104.5 68.25,116.798 67.298,117.75 60.75,117.75 56.75,113.75
+ACCV_SW on Layer 1 "NONET_L-01_P-001" (solid, remove dead copper, pour order 70): 46.25,142.25 47,143 50.5,143 51.5,142 51.5,125.5 51,125 46.75,125 46.25,125.5 46.25,132.25
NetQ8_2 on Layer 1 "NONET_L-01_P-001" (solid, remove dead copper, pour order 63): 42,105.5 42.5,106 45.25,106 45.75,106.5 45.75,110.5 46.5,111.25 51.5,111.25 52,110.75 52,106.75 52.5,106.25 55.5,106.25 55.75,106 55.75,100.25 55.25,99.75 42.75,99.75 42,100.5
+SW2 on Layer 1 "Component Side-+SW2" (solid, remove dead copper, pour order 65): 49.5,111.75 51.75,109.5 51.75,106.5 56.5,106.5 57,107 57,110 58,111 59.5,111 59.75,111.25 59.75,117.25 60.5,118 64.5,118 65,118.5 65,123.25 63.75,124.5 58,124.5 50.75,124.5 49.5,123.25
SW1+ on Layer 1 "NONET_L-01_P-001" (solid, remove dead copper, pour order 64): 37.25,107.75 37.75,107.25 39.25,107.25 40.5,106 45.75,106 49,109.25 49,123.5 48,124.5 39.25,124.5 37.25,122.5
GND on Layer 2 "NONET_L-01_P-001" (solid, remove dead copper, pour order 104): 0,0 108,0 108,143 0,143
AGND on Layer 2 "NONET_L-01_P-001" (solid, remove dead copper, pour order 103): 5.75,76.5 5,75.75 5,66 11,60 18,53 46,53 53,46 68.25,46 78,55.75 78,69 73,74 65,74 62,71 62,66 59,63 31.75,63 18.25,76.5
CGND on Layer 2 "NONET_L-01_P-001" (solid, remove dead copper, pour order 94): 37,80.25 40.75,76.5 40.75,68.75 41.75,67.75 55,67.75 57.5,70.25 57.5,81.5 55.25,83.75 39.25,83.75 37.25,83.75 37,83.5
+PSRC1 on Layer 2 "NONET_L-01_P-001" (solid, remove dead copper, pour order 88): 10.5,98.75 10.5,91.75 14.25,88 16.25,88 16.75,88 17,88.25 17,95.25 18.25,96.5 18.25,98.75 17.25,99.75 11.5,99.75
PGND on Layer 2 "NONET_L-01_P-001" (solid, remove dead copper, pour order 85): 23.5,94 24.25,93.25 24.25,86.25 25,85.5 38,85.5 40.75,82.75 77.75,82.75 79,84 79,103 78,104 69.25,104 67,101.75 54.5,101.75 52,99.25 43,99.25 41.75,98 24,98 23.5,97.5
+PSRC1 on Layer 2 "NONET_L-01_P-001" (solid, remove dead copper, pour order 84): 19.25,95.5 18.5,94.75 18.5,88.5 19,88 23,88 23.5,88.5 23.5,94.5 22.5,95.5
PGND on Layer 2 "NONET_L-01_P-001" (solid, remove dead copper, pour order 82): 73.5,143 73.5,117.25 75.75,115 81.5,115 82,114.5 82,73 82.75,72.25 82.75,64.25 81,62.5 81,51.25 83.25,49 108,49 108,143
+SYSV on Layer 2 "Bottom Layer-+SYSV" (solid, remove dead copper, pour order 77): 39,125 45.5,125 46,125.5 46,142 45,143 26.5,143 25,141.5 25,130.5 21,126.5 10.25,126.5 8.75,126.5 7.75,125.5 7.75,120.25 8.5,119.5 14,119.5 15.5,118 15.5,101.75 18,99.25 19,98.25 23.75,98.25 41.5,98.25 41.5,106 37.25,106 36.75,106.5 36.75,122.75
AGND on Layer 2 "NONET_L-01_P-001" (solid, remove dead copper, pour order 76): 76.005,119.745 75.505,120.245 75.505,122.745 76.005,123.245 81.505,123.245 83.255,121.495 83.255,115.495 82.755,114.995 76.505,114.995 76.005,115.495
+ACCV1 on Layer 2 "Bottom Layer-+ACCV1" (solid, remove dead copper, pour order 73): 77.5,104.25 78.75,105.5 78.75,111.25 78.75,114.25 78.25,114.75 75.75,114.75 73.25,117.25 73.25,143 52.75,143 51.75,142 51.75,125.5 52.25,125 63.75,125 65.5,123.25 65.5,115.75 68.25,113 68.25,104.25
+CHRGV on Layer 2 "NONET_L-01_P-001" (solid, remove dead copper, pour order 72): 59.75,116.75 59.75,111 57.5,108.75 57.5,102.5 65.75,102.5 66.5,103.25 66.5,116.75 65.75,117.5 60.5,117.5
+ACCV_SW on Layer 2 "NONET_L-01_P-001" (solid, remove dead copper, pour order 71): 46.25,142.25 47,143 50.5,143 51.5,142 51.5,125.5 51,125 46.75,125 46.25,125.5 46.25,132.25
NetQ8_2 on Layer 2 "NONET_L-01_P-001" (solid, remove dead copper, pour order 66): 42,105.5 42.5,106 45.25,106 45.75,106.5 45.75,110.5 46.5,111.25 51.5,111.25 52,110.75 52,106.75 52.5,106.25 55.5,106.25 55.75,106 55.75,100.25 55.25,99.75 42.75,99.75 42,100.5
+SW2 on Layer 2 "Component Side-+SW2" (solid, remove dead copper, pour order 68): 49.5,111.75 51.75,109.5 51.75,106.5 58.5,106.5 59.5,107.5 59.5,117 60.5,118 64.5,118 65,118.5 65,123.25 63.75,124.5 58,124.5 50.75,124.5 49.5,123.25
SW1+ on Layer 2 "NONET_L-01_P-001" (solid, remove dead copper, pour order 67): 37.25,107.75 37.75,107.25 39.25,107.25 40.5,106 45.75,106 49,109.25 49,123.5 48,124.5 39.25,124.5 37.25,122.5

## Keep-outs
Keep-Out Layer:
  circle w0.1: c62,125 r3
  circle w0.1: c35.25,124.75 r3
  pour cut-out: 96,45 98,47 108,47 108,10 98,10 96,12

## Other copper
Component Side:
  pour cut-out: 94.25,140.5 94.25,134.5 96.75,132 108,132 108,143 96.75,143

## Silkscreen, mask and mechanical layers (free items; w line width, h text height)
Top Overlay:
  text "GND" at 0.3,128.124 h1.5
  text "SYSTEM" at 2.1,123.65 h0.7 r90
  text "GND" at 102.25,122.999 h2
  text "+V" at 0.3,120.899 h1.5
  text "GND" at 0.3,115.624 h1.5
  text "ACCUMULATOR" at 107,113.118 h0.7 r90
  text "Power  / source" at 2.5,110.5 h0.7 r90
  text "+V" at 102.25,109.249 h2
  text "+V" at 0.325,108.349 h1.5
  text "GND" at 1.35,86.65 h0.7 r90
  text "+V" at 2.85,86.65 h0.7 r90
  text "GND" at 1.35,83.65 h0.7 r90
  text "+V" at 2.85,83.65 h0.7 r90
  text "GND" at 1.35,80.65 h0.7 r90
  text "+V" at 2.85,80.65 h0.7 r90
  text "GND" at 1.35,77.65 h0.7 r90
  text "+V" at 2.85,77.65 h0.7 r90
  text "AI3-" at 1.35,74.15 h0.7 r90
  text "AI3+" at 2.85,74.15 h0.7 r90
  text "AI4-" at 1.35,71.15 h0.7 r90
  text "AI4+" at 2.85,71.15 h0.7 r90
  text "AI2-" at 1.35,68.15 h0.7 r90
  text "AI2+" at 2.85,68.15 h0.7 r90
  text "+V" at 102.25,65.749 h2
  text "AI11" at 1.35,65.15 h0.7 r90
  text "AI1+" at 2.85,65.15 h0.7 r90
  text "1-Wire" at 0.4,61.9 h0.7
  text "1W" at 0.437,57.674 h1.5
  text "LOAD" at 107,55.868 h0.7 r90
  text "+V" at 0.375,55.049 h1.5
  text "GND" at 0.437,52.549 h1.5
  text "GND" at 102.25,50.999 h2
  text "RS458" at 0.4,46.65 h0.7
  text "B" at 0.125,43.499 h1.5
  text "A" at 0.125,41.249 h1.5
  text "COM" at 0.125,38.999 h1.5
  text "OUT1" at 106.501,38.875 h2 r90
  text "CAN" at 0.65,34.4 h0.7
  text "H" at 0.187,32.249 h1.5
  text "OUT2" at 106.501,30.125 h2 r90
  text "L" at 0.125,29.499 h1.5
  text "COM" at 0.187,26.749 h1.5
  text "CAN" at 0.65,21.9 h0.7
  text "OUT3" at 106.501,21.375 h2 r90
  text "H" at 0.187,19.749 h1.5
  text "L" at 0.125,16.999 h1.5
  text "COM" at 0.187,14.249 h1.5
  text "OUT4" at 106.501,12.625 h2 r90
  text "BACKPMAN v3" at 69.75,5 h3
  text "Rev 1.0" at 69.25,2.25 h3.5
Mechanical 1:
  the board outline again, w0.05
Mechanical 15:
  lines w0.2: 0,140 108,140 ; 3,-17 3,143 ; 105,-17 105,143

## Text inside footprints (layer, text, board x,y; h text height)
C13: Top Overlay "+" at 17.25,96.75 h1.52
C26: Top Overlay "+" at 18,123.75 h1.52 r180
C27: Top Overlay "+" at 18,111 h1.52 r180
C40: Top Overlay "+" at 73.5,108.25 h1.52 r270
C41: Top Overlay "+" at 67.25,128.75 h1.52 r180
uSD1: Mechanical 2 "PCB edge" at 40.21,1.473 h0.6
X4: Top Overlay "2" at 76.739,47.905 h0.6 r90; Top Overlay "10" at 76.739,42.555 h0.6 r90; Top Overlay "9" at 68.889,43.205 h0.6 r270; Top Overlay "1" at 68.889,48.155 h0.6 r270